# Altium PCB S7.PcbDoc (part 4 of 6)
Units mm, origin at the board's own origin, x right, y up, seen from the top; angles counter-clockwise.
Board outline 50 x 40 mm, 6 copper layers (Component Side, Inner1, Inner2, Inner3, Inner4, Solder Side), stack 0.696 mm thick; 260 components, 298 nets, 1407 pads, 891 vias.
Unrouted connection lines stored in the file: 262.
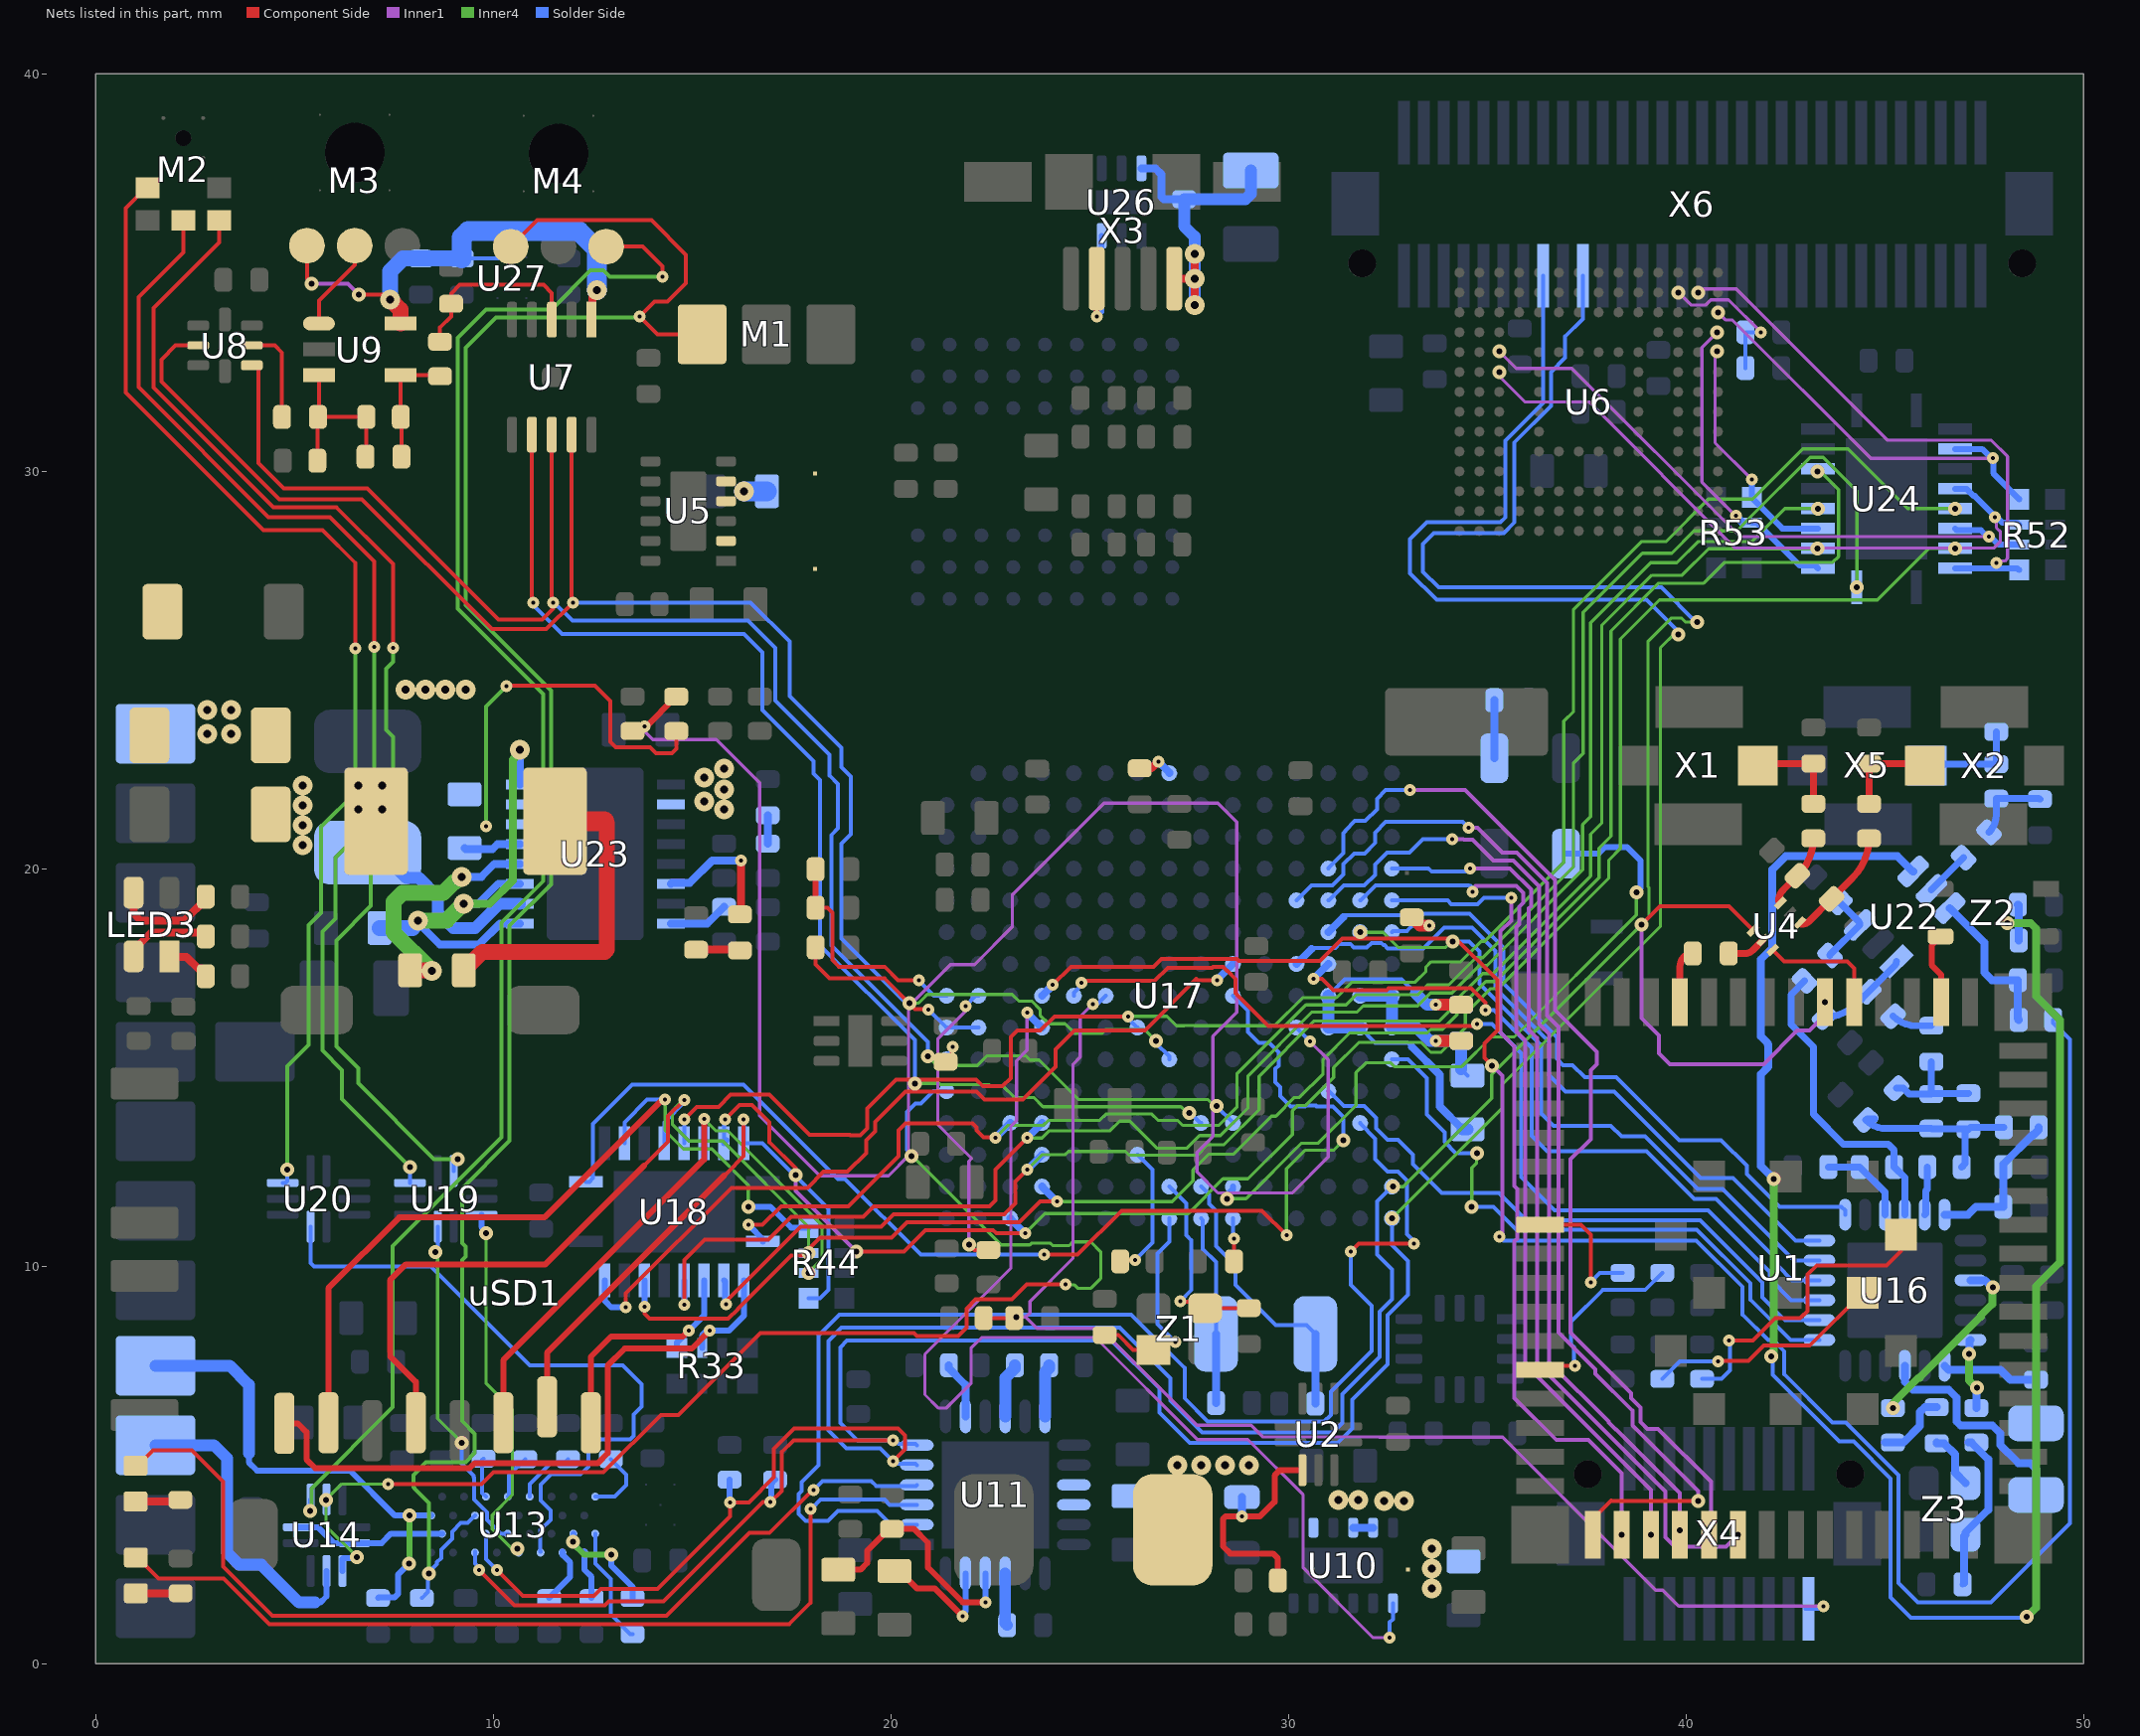
[diagram p8: the nets of this part, all layers, seen from the top]

## Via types
v1: diameter 0.3, hole 0.1, Component Side to Solder Side, tented both sides, 467 vias
v2: diameter 0.35/0.3 (per signal layer), hole 0.15, Inner4 to Solder Side, tented both sides, 214 vias
v3: diameter 0.5, hole 0.2, Component Side to Solder Side, tented both sides, 98 vias
v4: diameter 0.25/0.35 (per signal layer), hole 0.15, Component Side to Inner1, tented both sides, 46 vias
v5: diameter 0.5, hole 0.15, Inner4 to Solder Side, tented both sides, 28 vias
v6: diameter 0.5/0.5 (per signal layer), hole 0.15, Inner4 to Solder Side, tented both sides, 14 vias
v7: diameter 0.3, hole 0.1, Inner4 to Solder Side, tented both sides, 6 vias
v8: diameter 0.5, hole 0.3, Component Side to Solder Side, 4 vias
v9: diameter 0.5, hole 0.2, Component Side to Inner1, tented both sides, 4 vias
v10: diameter 0.5, hole 0.2, Inner4 to Solder Side, tented both sides, 4 vias
v11: diameter 0.5, hole 0.15, Component Side to Inner1, tented both sides, 4 vias
v12: diameter 0.3, hole 0.1, Component Side to Inner1, tented both sides, 2 vias

## Nets (pads, with @x,y where several pads share a name; then routed paths per layer and width w, separated by ;. In a path a pad name is that pad's centre, name@x,y a point inside that pad or via, vN(x,y) a via of type N, cw(c..) or ccw(c..) an arc to the next point about the centre after c; other vN are vias at no path point) (continued)
MIC_CTRL: U14.4 U14.8 U17.A11 | length 33.6
  Component Side w0.1: v1(7.35,4.523) 9.709,4.523 10.005,4.819 12.771,4.819 14.211,6.259 14.649,6.259 16.715,8.325 20.578,8.325 20.653,8.25 21.686,8.25 21.9,8.464 21.9,8.936 22.129,9.165 23.045,9.165 23.42,9.54 v1(24.39,9.54)
  Inner4 w0.08: v2(6.569,2.687) 5.791,3.465 v2(5.791,4.123) 6.191,4.523 v1(7.35,4.523) ; v2(20.515,12.772) 20.539,12.772 22.772,10.539 23.495,10.539 23.536,10.58 24.014,10.58 24.074,10.52 24.483,10.52 24.578,10.615 25.03,10.615 25.277,10.369 25.277,9.693 25.031,9.448 24.697,9.448 24.608,9.536 24.394,9.536 v1(24.39,9.54)
  Solder Side w0.1: v2(20.515,12.772) 20.515,12.82 20.404,12.93 20.404,13.888 20.616,14.1 20.758,14.1 21.062,14.404 U17.A11@21.4,14.404
  Solder Side w0.15: U14.8@6.205,2.337 6.205,2.634 6.23,2.659 6.54,2.659 v2(6.569,2.687)
MIC_I2S_SCK: M2.4 U20.10 | length 29.4
  Component Side w0.1: M2.4@1.3,37.137 1.261,37.137 0.75,36.626 0.75,31.987 4.22,28.517 5.708,28.517 6.536,27.689 v1(6.536,25.545)
  Inner4 w0.1: v2(4.816,12.43) 4.816,15.028 5.355,15.567 5.355,18.579 5.672,18.896 5.672,21.056 6.536,21.92 v1(6.536,25.545)
  Solder Side w0.1: U20.10@4.7,12.1 4.766,12.1 4.816,12.15 v2(4.816,12.43)
MIC_I2S_SD: M2.6 U19.10 | length 29.5
  Component Side w0.1: M2.6@2.2,36.315 2.2,35.51 1.075,34.385 1.075,32.115 4.343,28.847 5.889,28.847 7,27.736 v1(7,25.583)
  Inner4 w0.1: v1(7,25.583) 7,21.251 6.026,20.277 6.026,18.75 5.699,18.423 5.699,15.428 6.191,14.937 6.191,14.211 v2(7.91,12.491)
  Solder Side w0.1: U19.10@7.9,12.1 7.91,12.11 v2(7.91,12.491)
MIC_I2S_WS: M2.1 U19.2 | length 30.4
  Component Side w0.1: M2.1@3.1,36.315 3.1,35.761 1.45,34.111 1.45,32.113 4.471,29.092 6.048,29.092 7.475,27.665 v1(7.475,25.561)
  Inner4 w0.1: v1(7.475,25.561) 7.475,25.211 7.3,25.036 7.3,23.494 7.475,23.318 7.475,21.022 6.915,20.462 6.915,19.065 6.05,18.2 6.05,15.533 6.6,14.983 6.6,14.605 8.505,12.7 v2(9.1,12.7)
  Solder Side w0.1: U19.2@9,12.4 9,12.6 v2(9.1,12.7)
MIC_OUT1: M4.3 U14.3 | length 40.9
  Component Side w0.1: M4.3@12.837,35.652 13.758,35.652 14.25,35.16 v1(14.25,34.897)
  Inner4 w0.1: v2(5.397,3.841) 5.425,3.869 5.425,4.411 7.468,6.454 7.468,10.507 10.21,13.25 10.21,18.649 11.25,19.689 11.25,24.393 9.1,26.544 9.1,33.355 9.819,34.075 11.462,34.075 12.44,35.052 12.771,35.052 12.927,34.897 v1(14.25,34.897)
  Solder Side w0.1: v2(5.397,3.841) 5.397,4.129 U14.3@5.405,4.137
MIC_OUT2: P_MIC2.1 U14.9 | length 8
  Solder Side w0.15: 5.512,1.539 5.649,1.539 5.805,1.695 U14.9@5.805,2.337
  Solder Side w0.3: P_MIC2.1@1.5,5.5 2.973,5.5 3.3,5.172 3.3,2.798 3.608,2.49 4.163,2.49 5.113,1.539 5.512,1.539
MICBIAS1: C66.2 M1.3 M4.1 U13.B12 | length 50.7
  Component Side w0.1: M4.1@10.437,35.652 11.1,36.315 13.978,36.315 14.845,35.448 14.845,34.731 14.384,34.27 14.056,34.27 v1(13.685,33.9) 14.135,33.45 M1.3@15.25,33.45
  Inner4 w0.1: v2(8.38,2.275) 8.38,4.044 8.012,4.412 8.012,4.415 7.987,4.44 7.987,4.748 8.307,5.068 9.299,5.068 9.534,5.303 9.534,5.781 9.212,6.103 9.212,10.163 9.3,10.251 9.3,10.499 9.212,10.587 9.212,11.955 10.41,13.153 10.41,18.566 11.45,19.606 11.45,24.478 9.3,26.629 9.3,33.114 10.061,33.875 13.66,33.875 v1(13.685,33.9)
  Solder Side w0.1: C66.2@8.2,1.652 8.359,1.811 8.359,2.254 v2(8.38,2.275) 8.38,2.305 8.577,2.502 8.577,2.552 8.688,2.663 8.688,2.871 8.963,3.146 8.963,3.326 9.179,3.542 9.352,3.542 U13.B12@9.538,3.728
MICBIAS2: C65.2 P_MIC_BIAS1.1 U13.B16 | length 12.3
  Inner4 w0.15: v2(7.881,2.524) 7.887,2.53 v2(7.887,3.728)
  Solder Side w0.15: 3.85,5.295 3.85,5.066 4.059,4.858 6.395,4.858 7.525,3.728 v2(7.887,3.728) U13.B16@8.438,3.728 ; C65.2@7.1,1.652 7.115,1.667 7.512,1.667 7.6,1.755 7.6,2.243 v2(7.881,2.524)
  Solder Side w0.3: P_MIC_BIAS1.1@1.5,7.5 3.369,7.5 3.85,7.019 3.85,5.295
MISO8: U7.7 U17.J12 | length 30.7
  Component Side w0.1: U7.7@10.972,30.924 10.972,26.668 11,26.696 v1(11,26.7)
  Inner4 w0.08: v2(20.6,14.6) 21.218,14.6 21.248,14.57 22.474,14.57 22.505,14.539 22.813,14.539 23.107,14.245 23.598,14.245 23.828,14.015 27.295,14.015 27.45,13.86 v2(27.51,13.86)
  Solder Side w0.1: v1(11,26.7) 11,26.696 10.972,26.668 11.728,25.913 16.301,25.913 16.769,25.445 16.769,23.994 18.051,22.713 18.051,22.398 18.217,22.232 18.217,18.076 20.6,15.693 v2(20.6,14.6) ; v2(27.51,13.86) 27.527,13.86 27.783,13.604 U17.J12@27.8,13.604
MOSI8: U7.9 U8.2 U17.H10 | length 43.1
  Component Side w0.1: U8.2@2.575,33.167 2.009,33.167 1.65,32.809 1.65,32.259 4.615,29.294 6.698,29.294 9.963,26.029 11.329,26.029 v1(12,26.7) 11.972,26.728 U7.9@11.972,30.924
  Inner4 w0.08: v2(20.462,16.619) 20.695,16.619 20.805,16.73 20.915,16.84 23.05,16.84 23.217,16.673 23.542,16.673 23.752,16.462 23.752,16.318 23.97,16.1 24.38,16.1 24.618,15.861 25.312,15.861 25.401,15.95 26.382,15.95 v2(26.667,15.665)
  Solder Side w0.1: v1(12,26.7) 16.47,26.7 17.451,25.718 17.451,24.34 18.75,23.041 18.75,22.561 18.987,22.323 18.987,20.876 18.75,20.639 18.75,18.25 20.38,16.619 v2(20.462,16.619) ; v2(26.667,15.665) 26.667,15.611 27,15.278 U17.H10@27,15.204
NetC1_2: C1.2 U11.23 | length 3.3
  Component Side w0.15: C1.2@20.087,2.335 20.212,2.335 20.65,1.898 21.102,1.898 v1(21.8,1.2)
  Solder Side w0.15: v1(21.8,1.2) 21.8,1.241 21.875,1.316 U11.23@21.875,2.275
NetC2_1: C2.1 R5.1 U11.22 | length 6.2
  Component Side w0.15: C2.1@18.675,2.365 19.232,2.365 19.4,2.533 19.4,2.84 19.95,3.39 R5.1@20.025,3.39 20.585,3.39 20.93,3.045 20.93,2.424 21.804,1.55 v1(22.375,1.55)
  Solder Side w0.15: v1(22.375,1.55) U11.22@22.375,2.275
NetC6_1: C6.1 U17.H15 Z1.1 | length 4.9
  Component Side w0.1: C6.1@25.375,8.273 25.723,8.273 26.096,7.9 Z1.1@26.6,7.9
  Solder Side w0.1: U17.H15@27,11.204 27,10.626 26.7,10.326 26.7,8.55 27.132,8.118 v1@27.15,8.136 ; v1(27.15,8.1) v1@27.15,8.136 ; v1@27.201,8.187 v1@27.15,8.136
NetC7_1: C7.1 U17.H14 Z1.3 | length 5
  Component Side w0.1: v1(27.275,9.125) 27.294,9.106 27.744,9.106 Z1.3@27.9,8.95 C7.1@29,8.95
  Solder Side w0.1: U17.H14@27,12.004 27.425,11.579 27.425,10.779 27.552,10.652 27.552,9.402 v1(27.275,9.125)
NetC9_1: C9.1 U17.K15 | length 1
  Component Side w0.1: C9.1@28.627,10.125 v1(28.627,10.699)
  Solder Side w0.1: v1@28.6,10.749 U17.K15@28.6,11.204
NetC14_1: C14.1 U17.A10 | length 0.8
  Component Side w0.1: C14.1@21.375,15.145 21.531,15.302 21.531,15.481 21.55,15.5 v1(21.55,15.52)
  Solder Side w0.1: U17.A10@21.4,15.204 21.4,15.296 21.55,15.446 v1(21.55,15.52)
NetC16_1: C16.1 L4.2 U23.2 | length 8.3
  Component Side w0.4: C16.1@9.249,17.459 C16.1@9.26,17.447 9.725,17.912 12.803,17.912 12.856,17.965 12.856,21.14 12.796,21.2
  Component Side w0.5: L4.2@11.55,21.2 12.796,21.2
  other v3: 15.8,21.5 15.3,21.7 15.8,22 15.3,22.3 15.8,22.516
NetC16_2: C16.2 U23.12 | length 6.3
  Component Side w0.4: C16.2@7.91,17.447 8.446,17.447 v3(8.457,17.437)
  Inner4 w0.4: v3(8.457,17.437) 7.487,18.406 7.487,19.166 7.722,19.4 8.747,19.4 9.022,19.675 9.048,19.675 9.173,19.8 v10(9.2,19.8)
  Solder Side w0.2: v10(9.2,19.8) 9.7,19.8 10.025,20.125 U23.12@10.662,20.125
NetC18_1: C18.1 U23.6 | length 3.4
  Component Side w0.2: C18.1@16.2,18.852 16.235,18.887 v1(16.235,20.21)
  Solder Side w0.2: U23.6@14.462,19.625 14.487,19.65 14.943,19.65 15.503,20.21 v1(16.235,20.21)
NetC18_2: C18.2 R16.1 | length 1.1
  Component Side w0.2: R16.1@15.1,17.965 16.183,17.965 C18.2@16.2,17.948
NetC20_1: C20.1 U17.R6 | length 1.5
  Component Side w0.3: C20.1@33.1,18.777 33.14,18.737 33.306,18.571 v1(33.539,18.571)
  Solder Side w0.1: U17.R6@32.6,18.404 32.635,18.439 32.975,18.439 33.086,18.55 33.107,18.571 v1(33.539,18.571)
NetC23_2: C23.2 L6.2 U4.3 | length 1.9
  Component Side w0.174: U4.3@42.326,19.184 cw(c42.73,19.184) 42.445,19.47 C23.2@42.8,19.825 42.818,19.843 ccw(c41.896,20.765) L6.2@43.2,20.765
NetC24_1: C24.1 U4.5 | length 1
  Component Side w0.174: C24.1@41.071,17.872 41.489,17.872 ccw(c41.489,18.131) 41.673,17.948 U4.5@41.932,18.207
NetC24_2: C24.2 U1.4 | length 1.4
  Component Side w0.174: U1.4@39.845,16.65 39.845,17.55 cw(c40.167,17.55) C24.2@40.167,17.872
NetC25_2: C25.2 L7.2 U4.1 | length 2.9
  Component Side w0.174: U4.1@42.909,18.601 ccw(c42.909,18.857) 43.09,18.676 C25.2@43.658,19.245 44.191,19.777 ccw(c43.203,20.765) L7.2@44.6,20.765
NetC29_1: C29.1 U17.H1 | length 0.9
  Component Side w0.2: C29.1@26.26,22.529 26.554,22.529 v1(26.725,22.7)
  Solder Side w0.2: v1(26.725,22.7) 27,22.425 U17.H1@27,22.404
NetC32_2: C32.2 L6.1 X1.1 | length 2.4
  Component Side w0.174: X1.1@41.8,22.6 cw(c41.916,22.484) 41.916,22.648 C32.2@43.2,22.648 L6.1@43.2,21.635
NetC33_2: C33.2 L7.1 X2.1 | length 2.4
  Component Side w0.174: L7.1@44.6,21.635 C33.2@44.6,22.648 45.884,22.648 cw(c45.884,22.484) X2.1@46,22.6
NetC39_1: C39.1 C40.1 R25.2 R26.1 U9.3 | length 4.4
  Component Side w0.1: R25.2@5.574,30.267 5.574,31.352 C39.1@5.589,31.367 ; U9.3@5.612,32.417 5.612,31.39 C39.1@5.589,31.367 ; C40.1@6.785,30.367 6.802,30.384 R26.1@6.802,31.367 C39.1@5.589,31.367
NetC39_2: C39.2 U8.6 | length 2.5
  Component Side w0.1: U8.6@3.925,33.167 4.5,33.167 4.685,32.982 C39.2@4.685,31.367
NetC40_2: C40.2 R26.2 R27.1 U9.4 | length 3.1
  Component Side w0.1: C40.2@7.689,30.367 7.689,31.35 R26.2@7.672,31.367 7.672,32.407 U9.4@7.662,32.417 8.635,32.417 R27.1@8.66,32.392
NetC50_2: C50.2 R27.2 U7.3 | length 4.7
  Component Side w0.1: R27.2@8.66,33.262 8.66,33.623 8.937,33.9 C50.2@8.937,34.215 8.937,34.474 9.156,34.693 11.268,34.693 11.472,34.488 U7.3@11.472,33.814
NetC51_2: C51.2 L10.1 Z3.4 | length 4.1
  Solder Side w0.15: C51.2@46.952,2 C51.2@46.989,2.037 ; Z3.4@46.989,3.214 Z3.4@47.025,3.25
  Solder Side w0.2: C51.2@46.989,2.037 Z3.4@46.989,3.214 ; Z3.4@47.025,3.25 47.025,3.3 47.6,3.875 47.6,5.14 47.175,5.565 L10.1@47.1,5.565
NetC52_2: C52.2 L2.1 U10.4 U10.5 | length 0.5
  Solder Side w0.2: U10.4@31.625,3.425 U10.5@32.125,3.425
  other v3: 33.6,1.9 33.6,2.4 33.6,2.9 32.4,4.1 32.9,4.1
NetC53_2: C53.2 U11.21 | length 1.3
  Solder Side w0.28: U11.21@22.875,2.275 22.875,1.021 C53.2@22.923,0.973
NetC54_1: C54.1 U13.D4 | length 1.5
  Solder Side w0.15: C54.1@11.4,1.652 11.935,2.187 11.935,2.547 11.745,2.738 11.738,2.738 U13.D4@11.738,2.818
NetC55_1: C55.1 U13.D2 | length 1.2
  Solder Side w0.15: U13.D2@12.288,2.818 12.288,2.372 12.47,2.189 C55.1@12.47,1.652
NetC56_1: C56.1 C60.1 L1.2 R3.1 R28.1 U2.3 U11.15 U11.16 | length 6.1
  Component Side w0.15: R3.1@29.735,2.1 29.735,2.648 29.608,2.775 28.536,2.775 28.352,2.959 28.352,3.64 28.422,3.71 v1(28.825,3.71) 29.283,3.71 29.65,4.077 29.65,4.737 29.786,4.873 U2.3@30.35,4.873
  Solder Side w0.2: v1(28.825,3.71) R28.1@28.825,4.19
  other v3: 27.2,5 27.8,5 28.4,5 29,5
NetC59_1: C59.1 U13.C3 | length 2.7
  Inner4 w0.15: v2(12,3.065) 12,3.029 12.279,2.75 v2(12.97,2.75)
  Solder Side w0.15: v2(12,3.065) 12,3.031 12.013,3.019 U13.C3@12.013,3.273 ; v2(12.97,2.75) 12.97,2.465 13.5,1.935 C59.1@13.5,1.652
NetC59_2: C59.2 U13.C1 | length 2.9
  Solder Side w0.1: U13.C1@12.563,3.273 12.563,2.526 12.955,2.134 12.955,1.24 13.447,0.748 C59.2@13.5,0.748
NetC61_1: C61.1 U17.J15 Z4.1 | length 4.8
  Solder Side w0.1: U17.J15@27.8,11.204 27.846,11.158 27.846,10.439 28.175,10.11 Z4.1@28.175,8.3
  Solder Side w0.2: C61.1@28.175,6.562 Z4.1@28.175,8.3
NetC62_1: C62.1 U17.J14 Z4.2 | length 7.1
  Solder Side w0.1: U17.J14@27.8,12.004 28,11.804 28,11.576 28.175,11.401 28.175,10.513 28.669,10.019 28.669,9.532 29.676,8.525 30.45,8.525 Z4.2@30.675,8.3
  Solder Side w0.2: C62.1@30.675,6.548 Z4.2@30.675,8.3
NetC69_1: C69.1 Z3.3 | length 1.4
  Solder Side w0.2: C69.1@46.3,5.569 C69.1@46.3,5.548 46.487,5.548 46.765,5.271 46.765,4.81 Z3.3@47.025,4.55
NetC69_2: C69.2 R30.1 | length 2
  Solder Side w0.2: R30.1@45,5.565 45.464,5.565 45.883,5.984 45.883,6.335 46,6.452 C69.2@46.3,6.452 ; R30.1@45.1,5.565 R30.1@45.2,5.565
NetC70_1: C70.1 L9.1 U16.7 | length 3.5
  Solder Side w0.2: U16.7@46.5,7.5 46.5,7.496 46.602,7.395 47.905,7.395 48.152,7.148 C70.1@48.8,7.148 L9.1@48.8,6.05
NetC74_1: C74.1 U13.A1 | length 1.7
  Solder Side w0.1: U13.A1@12.563,4.203 13.052,4.203 13.343,4.494 13.343,4.76 C74.1@12.955,5.148
NetC75_1: C75.1 U13.A7 | length 1.5
  Solder Side w0.1: U13.A7@10.913,4.203 10.913,4.52 11.425,5.032 11.759,5.032 C75.1@11.875,5.148
NetC76_1: C76.1 U13.A9 | length 1.1
  Solder Side w0.1: U13.A9@10.363,4.203 10.396,4.236 10.396,4.744 C76.1@10.8,5.148
NetC78_1: C78.1 U13.A11 | length 1
  Solder Side w0.1: C78.1@9.75,5.16 9.722,5.132 9.722,4.293 U13.A11@9.813,4.203
NetC85_1: C85.1 C87.1 L13.1 U16.24 | length 3.9
  Solder Side w0.2: U16.24@46.5,11.3 47.093,11.3 47.293,11.5 C85.1@47.975,11.5 47.98,11.505 47.98,12.495 C87.1@47.984,12.5 47.984,12.575 48.717,13.308 48.741,13.308 48.866,13.432 L13.1@48.866,13.5
NetC86_1: C86.1 C90.1 L11.2 L13.2 L14.1 | length 4.8
  Solder Side w0.174: C90.1@44.744,13.713 44.552,13.713 C90.1@44.52,13.68 ccw(c45.04,14.2) 45.04,13.465 L14.1@46.172,13.465 46.18,13.457 47.092,13.457 C86.1@47.1,13.448 ; L11.2@46.935,12.5 47.018,12.582 47.018,13.366 C86.1@47.1,13.448 ; L13.2@47.996,13.5 47.152,13.5 C86.1@47.1,13.448
NetC86_2: C86.2 C89.1 C91.1 L14.2 | length 2.7
  Solder Side w0.174: C91.1@45.289,14.48 45.465,14.48 45.61,14.335 L14.2@46.172,14.335 ; C89.1@46.172,15.148 L14.2@46.172,14.335 ; C86.2@47.1,14.352 47.092,14.344 46.18,14.344 L14.2@46.172,14.335
NetC89_2: C89.2 L15.1 | length 1
  Solder Side w0.174: L15.1@45.208,16.292 ccw(c45.788,16.873) 45.788,16.052 C89.2@46.172,16.052
NetC92_1: C92.1 L12.2 U16.21 | length 2.2
  Solder Side w0.174: C92.1@43.58,12.5 L12.2@44.365,12.5 45,11.865 U16.21@45,11.3
NetC93_1: C93.1 C99.1 L3.2 U17.P8 U17.R8 U17.R9 | length 5.1
  Component Side w0.3: v1(33.7,15.673) L3.2@34.34,15.673
  Solder Side w0.1: C93.1@34.34,14.96 C93.1@34.5,14.8
  Solder Side w0.3: U17.P8@31.8,16.804 U17.R8@32.6,16.804 U17.R9@32.6,16.004 33.221,16.004 33.552,15.673 v1(33.7,15.673) C99.1@34.34,15.673 C93.1@34.34,14.96
NetC93_2: C93.2 C99.2 L5.2 U17.N8 U17.N9 U17.P9 | length 10.2
  Component Side w0.3: v1(33.7,16.577) L5.2@34.34,16.577
  Solder Side w0.1: U17.N8@31,16.804 31.421,17.225 32.841,17.225 33.2,16.866 ; U17.P9@31.8,16.004 32.179,15.625 33,15.625 33.1,15.525
  Solder Side w0.2: 33.1,15.525 33.807,14.818 33.807,14.017 C93.2@34.375,13.45
  Solder Side w0.3: U17.N8@31,16.804 U17.N9@31,16.004 U17.P9@31.8,16.004 ; 33.2,16.866 33.489,16.577 v1(33.7,16.577) C99.2@34.34,16.577 ; C93.2@34.375,13.45 C93.2@34.5,13.45
NetC94_2: C94.2 R45.1 U22.6 | length 3.9
  Solder Side w0.2: U22.6@46.631,19.012 47.5,18.144 47.5,17.393 47.693,17.2 C94.2@48.348,17.2 48.348,16.241 ccw(c48.406,16.241) R45.1@48.365,16.2
NetC95_1: C95.1 L15.2 U22.1 | length 2.4
  Solder Side w0.174: C95.1@43.48,16.268 ccw(c43.48,17.407) 44.286,16.601 L15.2@44.592,16.908 45.242,17.557 ccw(c45.13,17.669) U22.1@45.288,17.669
NetC96_1: C96.1 U22.5 | length 1.1
  Solder Side w0.174: U22.5@46.172,19.472 C96.1@46.98,20.28
NetC96_2: C96.2 C104.2 L17.1 | length 2
  Solder Side w0.174: C96.2@47.62,20.92 ccw(c47.184,21.355) 47.8,21.355 L17.1@47.8,21.765 48.869,21.765 cw(c48.869,21.721) C104.2@48.9,21.752
NetC97_2: C97.2 R46.1 U22.4 | length 47.6
  Inner4 w0.2: v2(42.147,7.729) 42.162,7.729 42.2,7.766 v2(42.2,12.2) ; v2(48.075,18.629) 48.671,18.629 48.8,18.5 48.8,16.8 49.4,16.2 49.4,10.1 48.8,9.5 48.8,1.411 v2(48.573,1.184)
  Solder Side w0.1: v2(42.147,7.729) 42.171,7.729 42.175,7.725 42.175,7.267 43.852,5.59 44.214,5.59 45.148,4.657 45.148,1.67 45.657,1.161 48.549,1.161 v2(48.573,1.184)
  Solder Side w0.2: v2(42.2,12.2) 42.2,12.206 41.885,12.521 41.885,14.837 42.069,15.021 42.069,15.57 42.06,15.579 42.06,15.605 41.885,15.78 41.885,17.726 42.173,18.014 42.173,19.985 42.503,20.316 45.315,20.316 45.7,19.931 U22.4@45.712,19.931 ; v2@48.075,18.629 48.365,18.629 ; C97.2@48.348,19.1 cw(c48.307,19.059) 48.365,19.059 48.365,18.629 ; R46.1@48.365,18.2 48.365,18.629
NetC98_1: C98.1 L12.1 U16.22 | length 7.9
  Solder Side w0.174: C98.1@42.98,17.18 42.638,16.837 42.638,16.081 43.2,15.518 43.2,13.827 43.954,13.073 45.086,13.073 45.235,12.924 L12.1@45.235,12.5 45.5,12.235 U16.22@45.5,11.3
NetC98_2: C98.2 C100.1 U22.3 | length 1.8
  Solder Side w0.174: C98.2@43.62,17.82 cw(c43.666,17.82) 43.633,17.852 U22.3@44.369,18.588 ccw(c44.216,18.588) U22.3@44.324,18.696 ; C100.1@43.868,19.152 U22.3@44.324,18.696
NetC105_2: C105.2 L17.2 X5.1 | length 2.6
  Solder Side w0.174: X5.1@46.05,22.6 cw(c46.135,22.515) 46.135,22.635 L17.2@47.8,22.635 C105.2@47.8,23.448
NetC106_2: C106.2 R48.2 | length 0.7
  Solder Side w0.2: R48.2@16.9,20.635 C106.2@16.9,21.348
NetC107_1: C107.1 L4.1 U23.15
  other v3: 7.787,24.512 8.289,24.506 8.787,24.506 9.3,24.512
  other v9: 6.6,21.5 7.2,21.5 6.6,22.1 7.2,22.1
NetC107_2: C107.2 U23.13 | length 1.4
  Solder Side w0.2: C107.2@9.275,20.525 9.3,20.5 9.985,20.5 10.11,20.625 U23.13@10.662,20.625
NetC110_2: C110.2 L8.1 U5.4 U5.5 | length 0.6
  Solder Side w0.5: v3(16.3,29.5) C110.2@16.883,29.5
NetC111_1: C111.1 C112.1 U6.C2 | length 3.9
  Component Side w0.1: U6.C2@39.8,34.5 v4(39.81,34.5)
  Inner1 w0.08: v4(39.81,34.5) 40.125,34.185 40.495,34.185 40.625,34.315 41.066,34.315 v1(41.882,33.5)
  Solder Side w0.1: C111.1@41.494,32.6 C112.1@41.494,33.5 v1(41.882,33.5)
NetC121_1: C121.1 C122.1 M3.1 U7.1 U9.5 U27.1 | length 13.4
  Component Side w0.1: M3.1@5.312,35.677 5.312,34.844 v4(5.432,34.725) ; v4(6.615,34.448) 7.283,34.448 v3(7.41,34.321)
  Component Side w0.2: U7.1@12.472,33.814 12.497,33.84 12.497,34.369 12.6,34.471 v3(12.6,34.552)
  Component Side w0.4: v3(7.41,34.321) 7.662,34.068 U9.5@7.662,33.717
  Inner1 w0.1: v4(5.432,34.725) 6.339,34.725 v4(6.615,34.448)
  Solder Side w0.1: C121.1@9.21,35.352 10.132,35.352 10.135,35.355
  Solder Side w0.4: v3(7.41,34.321) 7.41,35.034 7.728,35.352 C122.1@8.18,35.352 C121.1@9.21,35.352
  Solder Side w0.5: C121.1@9.21,35.352 9.21,35.884 9.367,36.041 12.155,36.041 12.6,35.596 v3(12.6,34.552)
NetC123_2: C123.2 L18.1 U26.6 X3.1 | length 8.6
  Component Side w0.2: X3.1@27.124,34.85 27.13,34.845 v3(27.64,34.845) ; v3(27.638,35.464) 27.64,35.462 v3(27.64,34.845) ; v3(27.64,34.177) v3(27.64,34.845)
  Solder Side w0.2: U26.6@26.299,37.625 26.649,37.625 26.803,37.471 26.803,36.906 26.861,36.848 C123.2@27.375,36.848
  Solder Side w0.3: v3(27.64,34.177) 27.64,35.462 v3(27.638,35.464) 27.638,35.903 27.375,36.166 C123.2@27.375,36.848 28.919,36.848 29.049,36.978 L18.1@29.049,37.567
NetL2_2: L2.2 U10.2
  other v3: 31.25,4.125 31.75,4.125
NetL8_2: L8.2 U5.2
NetL9_2: L9.2 U16.9 | length 5.8
  Solder Side w0.2: U16.9@45.5,7.5 45.5,7.1 45.7,6.9 46.6,6.9 46.8,6.7 46.8,6.1 46.9,6 47.7,6 47.9,5.8 47.9,5.509 48.359,5.05 48.658,5.05 48.8,4.908 L9.2@48.8,4.25
NetL10_2: L10.2 U16.6 | length 1.8
  Inner4 w0.2: v2(47.113,7.8) 47.113,7.134 v2@47.31,6.937
  Solder Side w0.2: v2(47.113,7.8) 47.131,7.819 47.131,8.131 U16.6@47.15,8.15 ; L10.2@47.3,6.435 47.306,6.441 47.306,6.934 v2(47.313,6.94)
NetL11_1: L11.1 U16.23 | length 1.2
  Solder Side w0.174: U16.23@46,11.3 46.024,11.324 46.024,11.897 46.065,11.938 L11.1@46.065,12.5
NetLED1_1: LED1.1 U11.3 | length 23.1
  Component Side w0.1: LED1.1@1.01,2.675 1.06,2.675 1.585,2.15 3.221,2.15 4.371,1 17.436,1 17.975,1.539 v1(17.975,3.9)
  Solder Side w0.1: v1(17.975,3.9) 18,3.9 18.229,4.129 19.843,4.129 19.972,4 U11.3@20.65,4
NetLED1_2: LED1.2 R1.1 | length 1.1
  Component Side w0.2: LED1.2@1.01,1.775 R1.1@2.135,1.775
NetLED2_1: LED2.1 U11.4 | length 24.3
  Component Side w0.1: LED2.1@1,4.983 1.05,4.983 1.437,5.37 2.423,5.37 3.21,4.583 3.21,2.444 4.443,1.21 14.354,1.21 16.441,3.297 16.948,3.297 18.026,4.375 v1(18.051,4.375)